# Altium PCB PCB_15122020_01BC.PcbDoc (part 4 of 9) (continued)
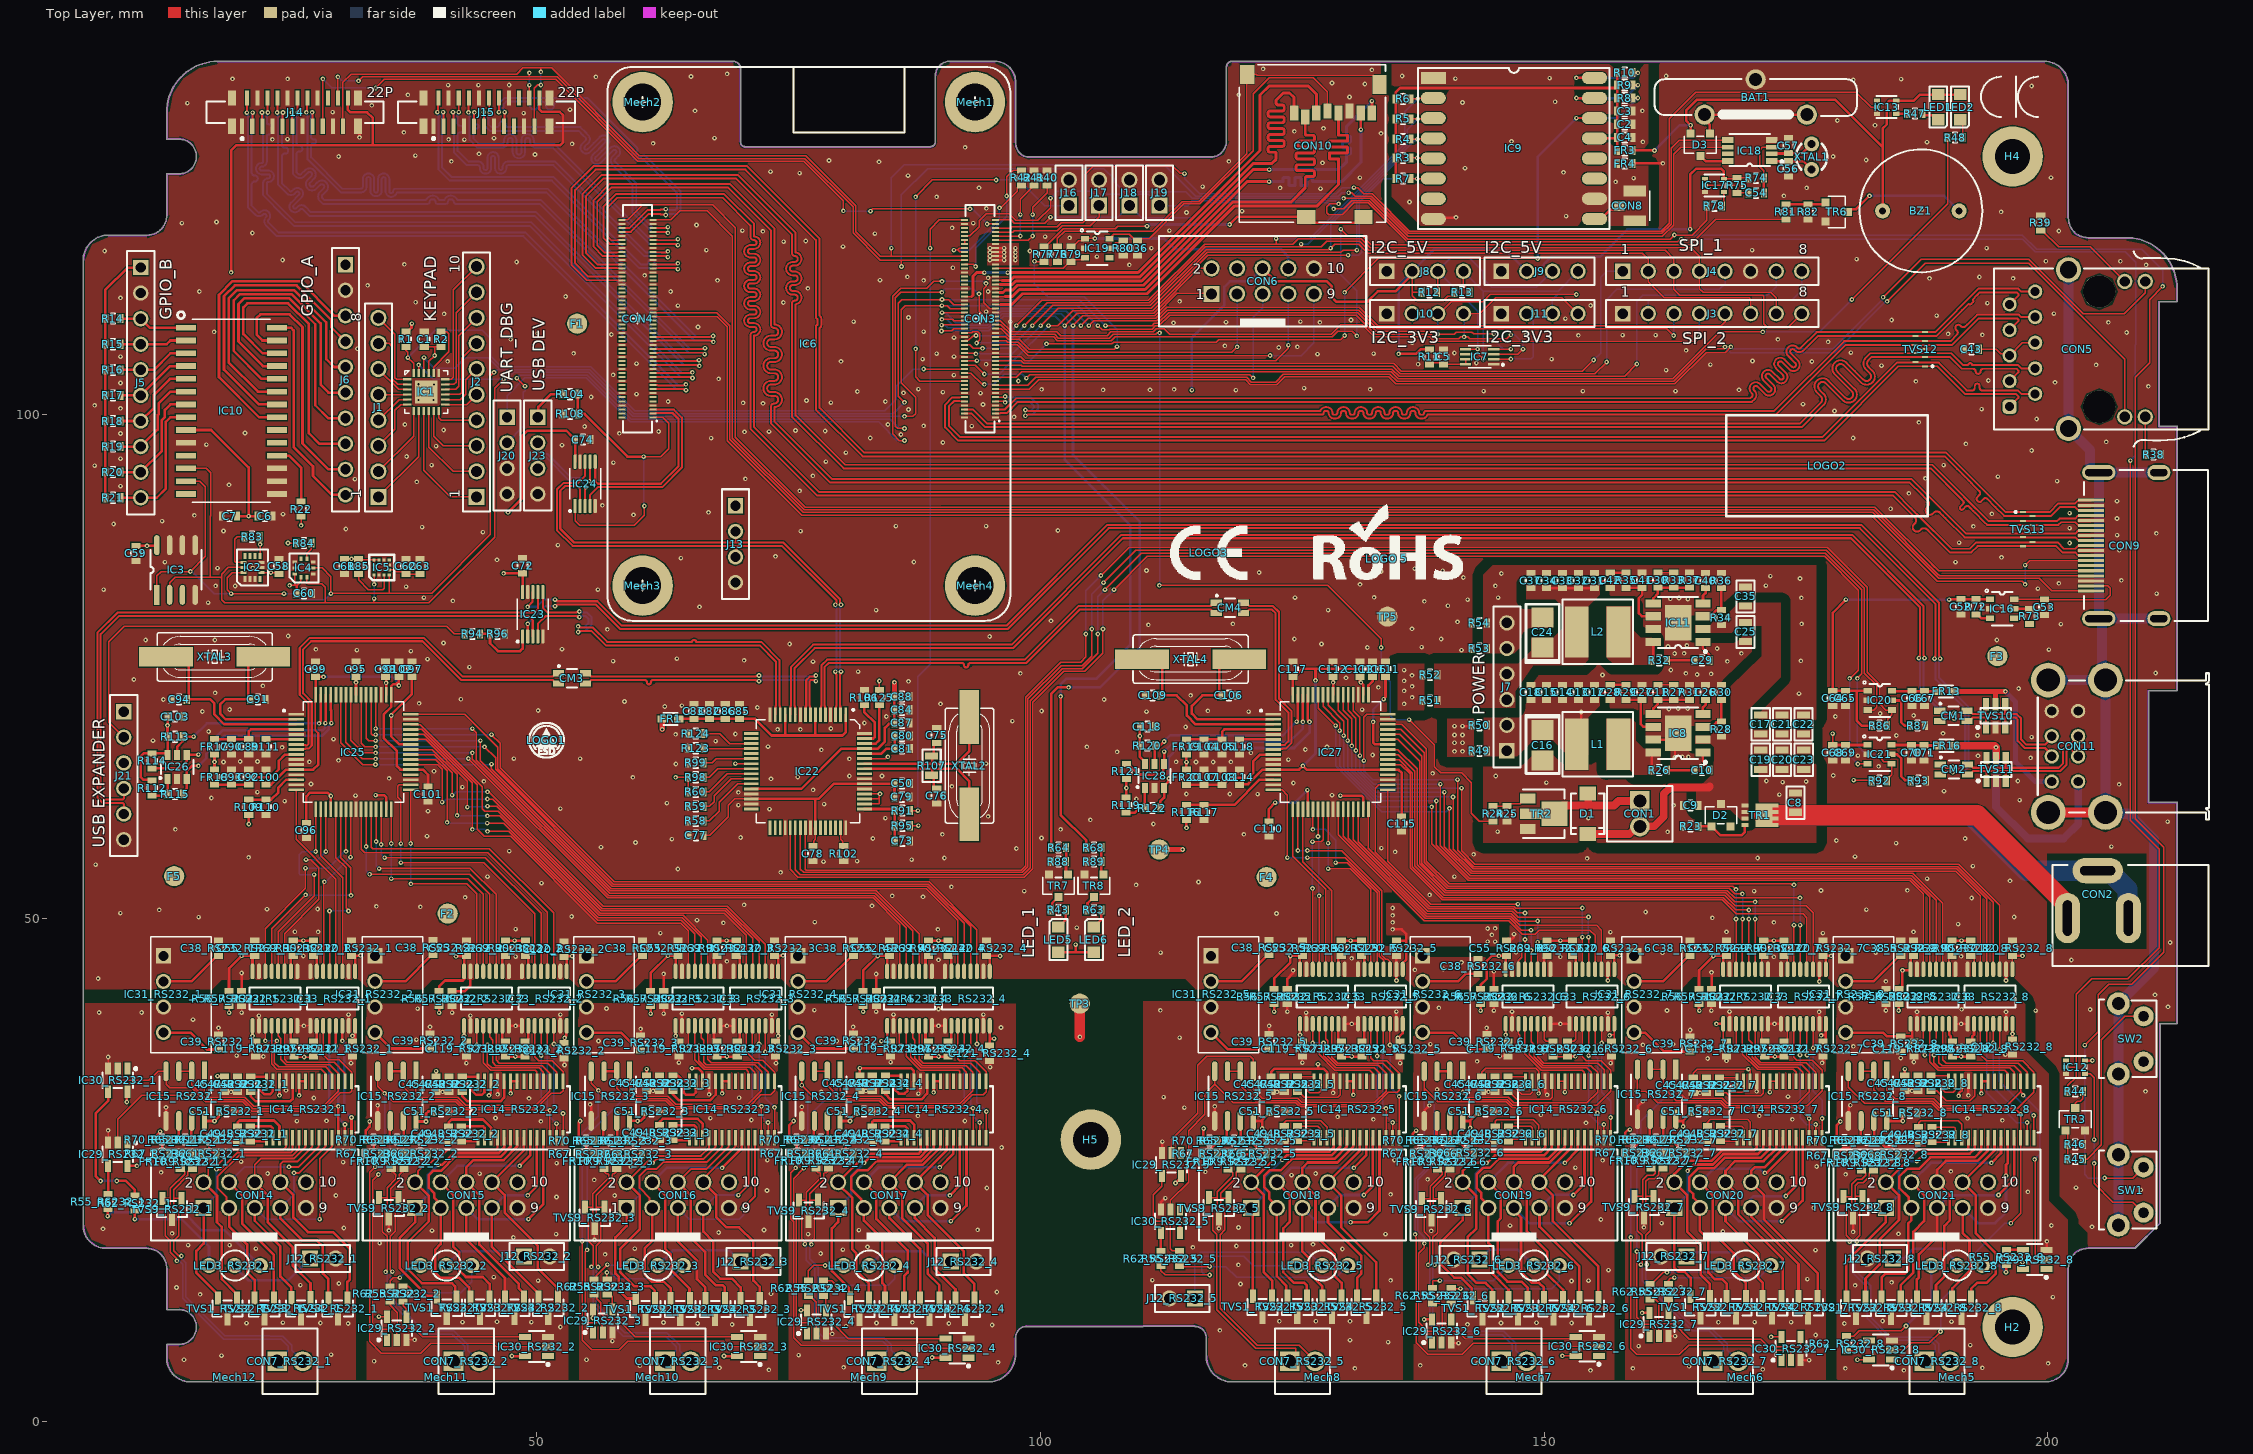
[diagram p0: Top Layer view]
## Nets (pads, with @x,y where several pads share a name; then routed paths per layer and width w, separated by ;. In a path a pad name is that pad's centre, name@x,y a point inside that pad or via, vN(x,y) a via of type N, cw(c..) or ccw(c..) an arc to the next point about the centre after c; other vN are vias at no path point) (continued)
  Top Layer w0.127: CON3.99@95.54,119.3 97.116,119.3 97.42,118.996 100.421,118.996 v1(101,119.575) ; v1(129.1,120.4) 130.1,120.4 130.914,121.214 132.632,121.214 136.438,117.408 147.873,117.408 147.897,117.384 162.504,117.384 v1(162.92,117.8) 164.7,117.8 166.15,119.25 R78.1@166.15,120.7 ; v1(203.666,37.376) 204.993,38.703 204.993,42.38 206.027,43.414 208.312,43.414 211.502,46.604 211.502,57.037 208.7,59.839 208.7,103.7 210.1,105.1 210.1,111.4 v1(211.4,112.7) ; v1(205.644,24.191) 208.441,24.191 SW1.2@209.5,25.25
  Bottom Layer w0.127: v1(101,119.575) 107.67,119.575 J18.1@108.825,120.73 110.03,119.525 115.1,119.525 116.561,120.986 128.514,120.986 v1(129.1,120.4) ; v1(162.92,117.8) 197.459,117.8 198.88,116.379 209.321,116.379 211.4,114.3 v1(211.4,112.7) ; v1(203.666,37.376) 203.666,24.562 204.037,24.191 v1(205.644,24.191)
GND: BAT1.2 C1.2 C5.2 C6.2 C7.2 C36.2 C38_RS232_1.2 C38_RS232_2.2 C38_RS232_3.2 C38_RS232_4.2 C38_RS232_5.2 C38_RS232_6.2 C38_RS232_7.2 C38_RS232_8.2 C43.2 C50.2 C52.2 C53.2 C55_RS232_1.1 C55_RS232_2.1 C55_RS232_3.1 C55_RS232_4.1 C55_RS232_5.1 C55_RS232_6.1 C55_RS232_7.1 C55_RS232_8.1 C56.2 C57.2 C58.2 C59.2 C60.2 C61.2 C62.1 C63.1 C64.2 C65.2 C66.2 C67.2 C68.2 C69.2 C70.2 C71.2 C72.2 C73.2 C74.2 C75.1 C76.1 C77.2 C78.2 C79.2 C80.2 C81.2 C82.2 C83.2 C84.2 C85.2 C86.2 C87.2 C88.2 C89.2 C90.2 C91.1 C92.1 C93.1 C94.1 C95.2 C96.2 C97.2 C98.2 C99.2 C100.2 C101.2 C102.2 C103.1 C104.2 C105.2 C106.1 C107.1 C108.1 C109.1 C110.2 C111.2 C112.2 C113.2 C114.2 C115.2 C116.2 C117.2 C118.1 C120_RS232_1.1 C120_RS232_2.1 C120_RS232_3.1 C120_RS232_4.1 C120_RS232_5.1 C120_RS232_6.1 C120_RS232_7.1 C120_RS232_8.1 CON3.1 CON3.2 CON3.7 CON3.8 CON3.13 CON3.14 CON3.22 CON3.23 CON3.32 CON3.33 CON3.42 CON3.43 CON3.52 CON3.53 CON3.59 CON3.60 CON3.65 CON3.66 CON3.71 CON3.74 CON3.98 CON4.7 CON4.8 CON4.13 CON4.14 CON4.19 CON4.20 CON4.25 CON4.26 CON4.31 CON4.32 CON4.37 CON4.38 CON4.44 CON4.50 CON4.55 CON4.56 CON4.61 CON4.62 CON4.67 CON4.68 CON4.73 CON4.74 CON4.79 CON4.80 CON4.85 CON4.86 CON4.91 CON4.92 CON4.97 CON4.98 CON6.10 CON9.2 CON9.5 CON9.8 CON9.11 CON9.17 CON10.6 CON11.A4 CON11.B4 FR4.2 IC1.19 IC1.25 IC2.1 IC2.2 IC2.3 IC2.6 IC2.7 IC3.4 IC3.5 IC3.6 IC3.7 IC4.3 IC4.5 IC4.8 IC4.9 IC5.2 IC5.6 IC5.8 IC7.1 IC10.10 IC10.15 IC10.16 IC10.17 IC12.3 IC13.3 IC16.2 IC17.3 IC18.4 IC19.2 IC20.2 IC21.2 IC22.4 IC22.10 IC22.16 IC22.29 IC22.31 IC22.36 IC22.41 IC22.48 IC22.53 IC22.55 IC22.64 IC23.5 IC23.9 IC24.5 IC24.9 IC25.1 IC25.5 IC25.10 IC25.11 IC25.13 IC25.15 IC25.25 IC25.35 IC25.47 IC25.51 IC26.2 IC27.1 IC27.5 IC27.10 IC27.11 IC27.13 IC27.15 IC27.25 IC27.35 IC27.47 IC27.51 IC28.2 IC31_RS232_1.1 IC31_RS232_2.1 IC31_RS232_3.1 IC31_RS232_4.1 IC31_RS232_5.1 IC31_RS232_6.1 IC31_RS232_7.1 IC31_RS232_8.1 IC32_RS232_1.9 IC32_RS232_1.15 IC32_RS232_2.9 IC32_RS232_2.15 IC32_RS232_3.9 IC32_RS232_3.15 IC32_RS232_4.9 IC32_RS232_4.15 IC32_RS232_5.9 IC32_RS232_5.15 IC32_RS232_6.9 IC32_RS232_6.15 IC32_RS232_7.9 IC32_RS232_7.15 IC32_RS232_8.9 IC32_RS232_8.15 IC33_RS232_1.2 IC33_RS232_1.8 IC33_RS232_2.2 IC33_RS232_2.8 IC33_RS232_3.2 IC33_RS232_3.8 IC33_RS232_4.2 IC33_RS232_4.8 IC33_RS232_5.2 IC33_RS232_5.8 IC33_RS232_6.2 IC33_RS232_6.8 IC33_RS232_7.2 IC33_RS232_7.8 IC33_RS232_8.2 IC33_RS232_8.8 J3.1 J4.6 J5.2 J6.2 J8.1 J9.1 J10.1 J11.1 J13.4 J14.1 J14.4 J14.7 J14.10 J14.13 J14.16 J14.19 J14.MP1 J14.MP2 J14.MP3 J14.MP4 J15.1 J15.4 J15.7 J15.10 J15.13 J15.16 J15.19 J15.MP1 J15.MP2 J15.MP3 J15.MP4 J16.2 J17.2 J18.2 J19.2 J20.3 J20.4 J21.6 J23.4 R38.2 R39.2 R40.1 R41.1 R46.2 R53.2 R54.2 R57_RS232_1.1 R57_RS232_2.1 R57_RS232_3.1 R57_RS232_4.1 R57_RS232_5.1 R57_RS232_6.1 R57_RS232_7.1 R57_RS232_8.1 R58.2 R59.2 R73.2 R80.1 R82.2 R87.2 R88.1 R89.1 R93.2 R96.1 R99.2 R102.2 R106.2 R108.1 R110.1 R111.1 R117.1 R118.1 R123.2 R124.2 TP5.1 TR3.2 TR6.2 TR7.2 TR8.2 TVS10.2 TVS11.2 TVS12.3 TVS13.3 | length 25.6
  Top Layer w0.254: R57_RS232_1.1@20.7,42.75 v1(20.7,44.544) ; J14.MP3@32.25,128.6 32.4,128.45 v1(32.4,127.493) ; R57_RS232_2.1@41.6,42.75 42.85,42.75 43.412,43.312 IC32_RS232_2.15@43.412,44.7 ; v1(62.59,44.457) 62.6,44.447 R57_RS232_3.1@62.6,42.75 ; v1(83.684,44.447) 83.7,44.431 R57_RS232_4.1@83.7,42.75 ; R57_RS232_5.1@124.5,42.95 124.5,43.947 125.08,44.527 v1(125.08,44.8) ; C120_RS232_5.1@135.327,46.249 IC33_RS232_5.2@135.327,44.9 135.332,44.896 135.332,43.804 v1(135.336,43.8) ; R57_RS232_6.1@145.005,42.95 v1(145.005,44.7) ; C55_RS232_6.1@146.4,47.75 C55_RS232_6.1@146.273,47.75 146.446,47.923 146.617,47.752 147.002,48.137 v1(147.002,48.4) ; v1(156.328,43.8) IC33_RS232_6.2@156.328,44.9 ; FR4.2@158.75,124.9 158.758,124.892 158.776,124.91 v1(161.788,124.91) ; R57_RS232_7.1@166.619,42.95 v1(166.619,44.6) ; v1(177.327,43.7) IC33_RS232_7.2@177.327,44.9 ; v1(195.85,43.8) 195.851,43.801 195.851,44.899 IC33_RS232_8.2@195.853,44.9
  other v1: 204.39,19.35 209.234,23 202.8,23.233 209.7,32.795 198.8,40.8 204.2,40.919 211.931,41.178 210.642,42.375 183.92,43.71 6.448,44.001 137.157,44.852 139.995,44.944 141.8,45.6 68.87,45.7 202.334,45.833 89.87,45.848 130.889,46 47.9,46.163 151.6,46.145 172.8,46.15 191.4,46.2 26.817,46.225 161.745,46.54 111.934,46.57 182.916,46.57 147.2,46.6 82.637,47.14 212.137,47.568 62.26,48.493 177.665,48.5 156.576,48.6 28.289,48.625 168.1,48.632 186.662,48.632 25.978,48.638 89.81,48.872 47.904,48.903 103.6,49.041 191.097,49.388 68.525,49.524 172.809,49.567 77.591,49.593 65.898,49.785 166.691,50.023 16.432,50.086 196.653,50.097 53.462,50.15 123.431,50.447 8.66,50.487 160.075,50.6 12.518,50.808 181.979,50.838 23.209,50.878 28.249,50.896 38.438,51.114 34.078,51.162 83.281,51.212 70.579,51.316 192.444,51.988 42.882,52.055 88.34,52.1 85.284,52.2 138.627,52.301 98.388,52.666 170.855,52.666 177.483,52.732 186.059,52.753 91.152,53.1 109.495,53.3 50.461,53.467 115.685,53.579 196.249,53.684 188.023,53.915 45.108,54.104 141.093,54.105 74.21,54.529 64,54.866 192.551,55.156 6.2,55.3 78.463,55.6 81.796,55.65 87.203,55.8 154.267,55.933 90.453,55.957 171.196,55.959 21.394,56.031 180.855,56.084 142.997,56.323 135.204,56.566 47.263,56.633 97.6,56.9 133.845,56.933 56.367,57.033 206.3,57.079 184.95,57.425 59.8,57.5 179,57.7 63.409,57.836 83.358,57.9 191.796,57.9 100.1,57.95 70.23,58 39.1,58.132 90.252,58.3 120.19,58.303 14.112,58.808 102,58.8 111.21,59.34 211.888,59.567 104.952,59.742 84.6,59.913 94.8,60.1 39.2,60.601 73.1,60.8 52.342,60.851 70,61.2 78.531,61.3 62.9,61.396 24.971,61.594 197.2,61.7 109.51,61.812 17.686,61.919 31.994,62.15 128.945,62.2 114.48,62.315 118.79,62.315 121.557,62.3 70,62.473 22.259,62.494 189.7,62.6 77.441,62.73 42.602,62.999 91.2,63.08 207.08,63.279 27.578,63.3 125.1,63.398 44.74,63.57 197.019,63.6 73.25,63.821 35.345,63.868 59.542,63.972 75.904,64 84.261,64.1 81.023,64.106 178.7,64.143 138.94,64.36 39.788,64.571 183.2,65.053 63.8,65.288 94.593,65.321 18.903,65.495 115.44,65.49 117.14,65.495 27.412,65.499 113.47,65.51 118.9,65.5 20.556,65.534 22.275,65.534 30.31,65.654 124.6,65.725 81.023,65.8 47.728,65.827 54.3,65.821 198.3,65.9 193.062,66.1 181.135,66.125 132.969,66.185 120.89,66.4 107.61,66.49 78.246,66.7 126.3,66.73 24.725,66.95 104.6,66.996 128.437,66.975 72.955,67.02 67.755,67.563 11.9,67.6 29.811,67.75 198.4,67.963 184.961,68.125 193.015,68.125 63.778,68.23 69.7,68.275 189.6,68.34 17.43,68.52 73.9,68.73 76.162,68.73 79.186,68.811 114.41,68.97 82.513,69.366 97.2,69.549 84.696,70 178.9,70.004 186.678,70.1 183.352,70.31 110.519,70.489 120.661,70.489 16.8,70.507 100.116,70.55 116.614,70.575 50.133,70.6 19.516,70.7 131.932,70.693 71.9,70.9 62.7,71 64.395,71.075 90.08,71.267 38.328,71.312 58.7,71.5 12.933,71.7 42.455,71.718 106.313,71.7 114.9,72.1 18.062,72.362 197.1,72.784 133.536,72.907 22.8,73.058 86.9,73.5 10,73.675 130.328,73.846 98,74.283 210.707,74.33 81.9,74.453 43.294,74.9 77.415,75.45 57.578,75.5 70.579,75.577 39.151,75.691 63.9,75.748 37.5,76.5 32.137,76.6 141.8,76.6 200.1,76.649 28.07,76.675 52.5,76.7 132.445,76.85 137.842,76.892 75.1,77.2 127.9,77.2 40.738,77.3 11.175,77.6 18.042,77.6 194.94,77.6 125.2,77.7 139.773,77.7 94.96,77.95 25.319,78 57,78.65 136.878,78.7 110.7,79.1 201.3,79.171 119.1,79.2 141.4,79.4 101.05,79.5 83.684,80.563 128.55,80.563 66.148,80.9 195.404,80.959 140.439,81 17.37,81.3 138.1,81.446 41.667,81.494 142.4,81.6 38.792,81.8 125.272,81.8 133.121,81.834 210.8,82.2 7,82.603 56.063,82.603 199.006,82.7 37.023,82.9 20.05,82.963 18.114,82.975 131.722,83.125 201.1,83.227 207.3,83.527 141.985,83.8 121.7,84.3 129.859,84.379 133.821,84.4 139.929,84.475 110.519,84.5 113.824,84.675 137.137,84.675 18.3,84.729 21.8,84.759 13.075,85.326 190.833,85.326 87.421,85.35 46.05,85.558 64.3,85.725 195.396,85.809 73.699,85.9 207.1,86.5 52.085,87.015 202.166,87.225 191.193,87.272 206.885,88 210.771,88.185 44.636,88.3 76.2,88.4 18.9,88.427 101.727,88.475 31.05,88.616 202.166,88.7 38.623,88.8 192.61,88.89 85.635,88.9 94.6,88.9 8,89.112 12.8,89.4 206.865,89.66 16,89.975 59.6,90.019 24.8,90.101 194.438,90.126 202.166,90.2 67.05,90.269 184.403,90.63 56.5,90.975 206.865,91.387 186.199,92.165 76.1,92.4 8.675,92.874 19.445,93 38.081,93.3 200.925,93.373 31.936,93.567 70.7,93.6 187.841,93.651 195.037,93.81 77.4,93.9 6.1,94.91 39.559,94.96 189.652,94.96 57.6,95.2 78.7,95.3 8.675,95.6 37.073,95.815 80.679,96.2 198.391,96.41 40,96.848 52.5,96.948 17.19,97 191.856,97.075 90.3,97.2 205.8,97.269 67.3,97.635 83.1,97.654 180.674,97.652 86.136,98 8.675,98.1 58.2,98.109 21.025,98.153 70.618,98.259 73.051,98.285 62.1,98.3 78.631,98.35 75.674,98.393 40.75,98.449 54.75,98.8 93.177,98.827 88.4,98.856 36.9,99 84.841,99 187.2,99.2 198.9,99.533 97.38,99.749 178.823,100.335 86.9,100.479 193.433,100.525 8.675,100.6 6.1,100.9 94.3,100.985 175.696,101.02 72.455,101.094 70.477,101.138 79.186,101.155 63.038,101.27 84.6,101.27 76.767,101.381 39.761,101.412 38.257,101.434 55.395,101.725 59.897,102.004 94.05,102.109 86.4,102.136 90.3,102.2 81.823,102.273 144,102.3 153.84,102.3 163.035,102.307 119.4,102.4 106.229,102.425 110.869,102.425 169.337,102.425 100.116,102.475 113.274,102.475 132.725,102.475 87.878,102.5 126.177,102.6 209.979,102.778 39.789,102.984 38.262,102.989 8.675,103.119 200.708,103.18 186.9,103.286 97.806,103.307 194.1,103.357 68.05,103.525 91.404,103.9 57.585,103.921 162.105,104.39 183.489,104.836 204.8,104.915 166.5,104.939 94.6,104.975 137.5,104.975 59.897,105.026 143.263,105.1 41.154,105.255 80.2,105.266 176.572,105.25 170.679,105.3 88.3,105.473 150.738,105.488 8.675,105.734 91.415,105.734 127.5,105.975 89.7,106.025 133.074,106.034 53.65,106.065 141.09,106.094 180.443,106.125 164.1,106.353 32.2,106.513 123.654,106.633 125.5,106.7 118.3,106.8 76.6,107.11 136.921,107.11 178.188,107.2 47.4,107.446 173.2,107.446 91.415,107.61 153.4,107.841 157.8,107.868 161.075,107.868 148.2,107.9 193.5,107.9 57.4,107.927 190.1,108 50.077,108.037 207.82,108.121 17.977,108.2 88.4,108.213 66,108.677 113.2,109.084 206,109.133 118.416,109.159 127.738,109.136 81.447,109.2 97.012,109.2 125.793,109.2 130.822,109.367 184.5,109.367 152.1,109.5 86.9,109.619 188.958,109.8 40.798,109.972 200.6,110 94.6,110.2 64,110.8 154.625,110.801 194,111.041 74.48,111.098 37.971,111.129 113.824,111.217 8.675,111.563 52.859,111.7 16.5,112.19 63.284,112.19 94.8,112.202 76.9,112.51 33.2,112.8 67.934,113.3 88.4,113.3 84.065,113.329 188.252,113.5 196.56,113.5 94.8,113.559 86.789,113.655 193.2,113.633 60.7,113.8 91.3,114.555 108.814,114.841 209.759,114.851 36.841,114.9 48,115.128 199.8,115.2 207.2,115.2 24.775,115.321 181.015,115.409 105.6,115.663 7.1,116.223 98.946,116.223 66.837,116.3 170.652,116.3 111,116.5 193.925,116.5 80.4,116.647 74.5,117.146 76.698,117.208 102.9,117.531 100.463,117.644 83.558,117.934 21.758,118 72.437,118.165 201.1,118.2 70.4,118.24 112.8,118.24 91.225,118.51 65.846,118.8 14.76,118.98 93.325,118.987 18.2,119.1 114.5,120.041 195.374,120.1 120,120.175 187.5,120.32 94.625,120.451 89.7,121.599 173.8,121.7 127.8,122.4 93.893,122.489 123.8,122.489 176.057,122.489 116.1,122.6 131.7,123.5 200.311,123.5 86.854,123.7 76.1,123.946 73.2,124.1 128,124.975 83.963,125.075 41.519,125.125 118.7,125.125 79,125.2 181.971,125.256 30.337,125.602 178.688,125.602 37.95,125.675 49.814,125.8 44.267,125.858 92.531,126.5 53.5,126.862 61.544,126.901 188,127.024 42.8,127.275 23.75,127.3 41.25,127.3 25.25,127.325 45.75,127.425 67.637,127.425 133.8,127.9 36.8,128 125.2,128.1 128.1,128.4 182.849,128.7 179.1,129.175 48.697,129.9 29.725,130 65.7,130.137 53.3,130.24 33.614,130.675 15.3,130.9 130.683,131.5 37.188,131.725 119.7,131.725 198.4,132.6 41.2,132.675 44.2,132.675 47.25,132.7 132.2,132.8 128.945,132.9 180.692,133.2 185.448,133.271 19.791,133.3 25.27,133.3 55.862,133.502 65.3,133.538 162.105,133.59 68.9,133.8 132.9,134.2 122.1,134.3
GPIO02: CON3.58 IC1.22 IC2.14 IC3.1 IC4.4 IC5.4 IC7.4 IC10.13 J10.3 J11.3 | length 228.7
  Top Layer w0.127: IC3.1@12.276,82.085 12.276,83.976 12.7,84.4 v1(15.6,84.4) 17.1,85.9 17.1,92.8 16.535,93.365 IC10.13@15.16,93.365 ; IC2.14@20.871,84.3 19.75,84.3 19.25,83.8 19.25,82.603 v1(19.653,82.2) v1(24.9,82.2) ; IC4.4@27.796,84.75 28.7,84.75 29.55,83.9 v1(29.55,82.2) 29.575,82.225 35.35,82.225 ; IC5.4@35.35,84.05 35.35,82.225 ; IC1.22@38.775,104.115 38.788,104.127 38.788,105.613 v1(38.8,105.625) ; v1(45.75,104.175) 45.4,103.825 45.4,88.075 39.55,82.225 35.35,82.225 ; v1(86.495,101.2) 85.877,101.818 85.877,111.053 86.224,111.4 v1(90.225,111.4) 90.9,111.4 91.4,110.9 CON3.58@92.46,110.9 ; v1(106.45,108.8) 111.082,108.8 111.312,109.03 111.651,109.03 112.712,110.091 131.476,110.091 133.328,108.239 139.112,108.239 139.387,107.964 v1(139.425,107.964) 141.063,107.964 141.274,108.175 142.825,108.175 143,108 v1(145.005,108) ; J10.3@139.445,110 139.6,110 140.8,111.2 143.94,111.2 144.64,111.9 v1(153.2,111.9) ; IC7.4@145.005,106.475 v1(146.7,106.475)
  Bottom Layer w0.127: v1(15.6,84.4) 15.8,84.4 18,82.2 v1(19.653,82.2) ; v1(24.9,82.2) 26.063,82.2 26.663,81.6 28.95,81.6 v1(29.55,82.2) ; v1(38.8,105.625) 39.825,104.6 41.875,104.6 42.9,105.625 45.175,105.625 46.348,104.452 ; v1(45.75,104.175) 45.784,104.175 46.061,104.452 46.348,104.452 ; v1(86.495,101.2) 85.372,100.077 59.623,100.077 55.248,104.452 46.348,104.452 ; v1(90.225,111.4) 103.85,111.4 v1(106.45,108.8) ; v1(139.425,107.964) 139.445,107.983 J10.3@139.445,110 ; v1(145.005,108) 145.005,107.397 145.927,106.475 v1(146.7,106.475) ; J11.3@150.82,110 150.82,111.38 151.34,111.9 v1(153.2,111.9)
GPIO03: CON3.56 IC1.23 IC2.13 IC3.2 IC4.2 IC5.1 IC7.3 IC10.12 J10.4 J11.4 | length 227.5
  Top Layer w0.127: IC3.2@13.546,82.085 13.546,83.3 14.082,83.836 17.6,83.836 ; IC10.12@15.16,94.635 17.19,94.635 17.625,94.2 17.625,89.925 17.6,89.9 17.6,83.836 ; IC2.13@20.871,84.8 19.364,84.8 18.7,84.136 18.7,83.721 ; IC4.2@27.181,83.836 27.181,83.253 27.256,83.179 28.671,83.179 29,82.85 29,81.3 ; v1(33.85,81.7) 33.8,81.65 33.8,81.3 ; v1(33.85,83.125) IC5.1@33.85,84.05 ; IC1.23@38.275,104.115 v1(38.275,104.915) ; v1(46.7,103.487) 45.8,102.587 45.8,87.819 39.281,81.3 33.8,81.3 ; v1(86.495,99.8) 87.326,99.8 87.6,100.074 87.6,101.685 86.154,103.131 86.154,110.4 86.554,110.8 v1(90.2,110.8) 90.75,110.8 91.05,110.5 CON3.56@92.46,110.5 ; v1(105.7,108.8) 106.116,108.385 106.826,108.385 106.89,108.449 111.089,108.449 111.417,108.776 111.757,108.776 112.818,109.837 131.37,109.837 133.244,107.964 138.736,107.964 139.2,107.5 141.521,107.5 141.721,107.7 v1(142.05,107.7) 142.4,107.7 142.606,107.494 146.294,107.494 v1(146.7,107.9) ; J10.4@141.985,110 143.6,110 145.2,111.6 151.76,111.6 J11.4@153.36,110 ; IC7.3@145.005,105.975 147.4,105.975 v1(147.9,106.475) ; 17.6,83.836 18.586,83.836 18.7,83.721 ; 18.7,83.721 18.7,81.6 19,81.3 29,81.3 ; 29,81.3 33.8,81.3
  Bottom Layer w0.127: v1(33.85,81.7) v1(33.85,83.125) ; v1(38.275,104.915) 39.704,103.487 v1(46.7,103.487) 47.01,103.487 47.698,104.175 55.133,104.175 59.508,99.8 v1@86.4,99.8 ; v1(90.2,110.8) 103.7,110.8 v1(105.7,108.8) ; J10.4@141.985,110 142.05,109.935 v1(142.05,107.7) ; v1(146.7,107.9) 147.1,107.9 147.9,107.1 v1(147.9,106.475)
GPIO04: CON3.54 J3.3 | length 80.4
  Top Layer w0.127: v1(90.225,110.1) CON3.54@92.46,110.1 ; v1(104.8,108.8) 105.284,109.284 111.546,109.284 112.607,110.345 131.581,110.345 133.426,108.5 162.178,108.5 v1(162.853,107.825)
  Bottom Layer w0.127: v1(90.225,110.1) 90.6,110.1 91.613,109.087 94.609,109.087 96.024,110.502 103.098,110.502 v1(104.8,108.8) ; v1(162.853,107.825) 162.866,107.839 162.866,109.986 J3.3@162.88,110
GPIO05: CON3.34 IC9.5 R3.1 | length 58.1
  Top Layer w0.127: CON3.34@92.46,106.1 92.497,106.063 93.517,106.063 v1(93.58,106) ; v1(100.015,108.8) 101.769,110.554 111.02,110.554 116.543,116.077 129.812,116.077 130.035,116.3 v1(131.4,116.3) ; R3.1@136.75,125.45 v1(137.4,125.45) 137.425,125.425 138.975,125.425 IC9.5@139,125.4
  Bottom Layer w0.127: v1(93.58,106) 97.2,106 v1@100.015,108.815 ; v1(131.4,116.3) 131.4,121.129 135.721,125.45 v1(137.4,125.45)
GPIO06: CON3.30 IC9.6 R7.1 | length 58
  Top Layer w0.127: CON3.30@92.46,105.3 92.48,105.32 93.66,105.32 v1(93.68,105.34) ; v1(100.8,108.8) 101.717,108.8 103.217,110.3 111.125,110.3 116.625,115.8 v1(130.55,115.8) ; R7.1@136.75,123.4 v1(137.4,123.4) IC9.6@139,123.4
  Bottom Layer w0.127: v1(93.68,105.34) 93.71,105.37 97.37,105.37 v1(100.8,108.8) ; v1(130.55,115.8) 131.6,115.8 131.9,116.1 131.9,116.647 131.629,116.918 131.629,121.034 133.994,123.4 v1(137.4,123.4)
GPIO07: CON3.37 CON6.9 | length 37.4
  Top Layer w0.127: CON3.37@95.54,106.9 97.709,106.9 98.769,105.84 v1(122.8,105.84)
  Bottom Layer w0.127: v1(122.8,105.84) 125.865,105.84 127.117,107.092 127.117,111.937 CON6.9@127.14,111.96
GPIO08: CON3.39 CON6.3 | length 29.9
  Top Layer w0.127: CON3.39@95.54,107.3 96.588,107.3 96.734,107.154 97.814,107.154 98.783,106.185 119.005,106.185 v1(119.52,106.7)
  Bottom Layer w0.127: v1(119.52,106.7) CON6.3@119.52,111.96
GPIO09: CON3.40 IC9.2 J3.7 J4.4 R6.1 | length 115.1
  Top Layer w0.127: CON3.40@92.46,107.3 92.497,107.336 92.848,107.336 93.285,107.773 93.548,107.773 v1(93.6,107.825) ; v1(97.6,108.8) 100.116,111.316 110.705,111.316 116.297,116.908 123.4,116.908 ; v1(123.4,117.449) 123.4,116.908 ; R6.1@136.75,131.325 v1(137.463,131.325) 137.5,131.363 138.963,131.363 IC9.2@139,131.4 ; J3.7@173.04,110 173.04,111.56 172.486,112.114 165.8,112.114 165.42,112.494 J4.4@165.42,114.2 165.42,115.7 164.566,116.554 132.725,116.554 131.829,117.449 125.6,117.449 125.059,116.908 123.4,116.908
  Bottom Layer w0.127: v1(93.6,107.825) 96.625,107.825 v1(97.6,108.8) ; v1(123.4,117.449) 126.751,117.449 136.171,126.87 136.171,130.034 v1(137.463,131.325)
GPIO10: CON3.44 IC9.3 J3.8 J4.3 R5.1 | length 116.5
  Top Layer w0.127: CON3.44@92.46,108.1 93.177,108.1 93.297,108.22 93.764,108.22 93.995,107.989 93.995,107.415 v1(93.67,107.09) ; v1(98.4,108.8) 100.662,111.062 110.81,111.062 116.379,116.631 126,116.631 ; v1(125.885,116.9) 126,116.785 126,116.631 ; R5.1@136.75,129.325 v1(137.463,129.325) 137.5,129.362 138.962,129.362 IC9.3@139,129.4 ; J3.8@175.58,110 174.18,108.6 172.2,108.6 171.8,109 171.8,111.725 171.688,111.837 163.443,111.837 162.88,112.4 J4.3@162.88,114.2 162.88,115.42 162.023,116.277 132.61,116.277 131.715,117.172 128.4,117.172 127.859,116.631 126,116.631
  Bottom Layer w0.127: v1(93.67,107.09) 96.69,107.09 v1(98.4,108.8) ; v1(125.885,116.9) 126.524,116.9 136.4,126.776 136.4,128.262 v1(137.463,129.325)
GPIO11: CON3.38 IC9.4 J3.6 J4.2 R4.1 | length 104.2
  Top Layer w0.127: CON3.38@92.46,106.9 93.001,106.899 93.35,106.55 v1(94.25,106.55) ; v1(99.2,108.8) 101.208,110.808 110.915,110.808 116.461,116.354 128.602,116.354 128.746,116.498 v1(128.8,116.498) 129.198,116.895 131.6,116.895 132.495,116 159.749,116 160.34,115.409 J4.2@160.34,114.2 160.34,113.16 161.94,111.56 170.34,111.56 170.5,111.4 J3.6@170.5,110 ; R4.1@136.75,127.325 v1(137.425,127.325) 137.463,127.363 138.963,127.363 IC9.4@139,127.4
  Bottom Layer w0.127: v1(94.25,106.55) 96.95,106.55 v1(99.2,108.8) ; v1(128.8,116.498) 128.8,118.852 137.048,127.1 137.153,127.1 137.378,127.325 v1(137.425,127.325)
GPIO12: CON3.31 CON6.7 | length 35.1
  Top Layer w0.127: CON3.31@95.54,105.7 98.06,105.7 98.429,105.331 123.374,105.331 124.6,106.557 v1(124.6,106.879)
  Bottom Layer w0.127: v1(124.6,106.879) CON6.7@124.6,111.96
GPIO13: CON3.28 IC9.14 R8.1 | length 89.3
  Top Layer w0.127: CON3.28@92.46,104.9 93.525,104.9 v1(94.425,104) ; v1(100.6,107) 107.09,107 107.269,107.179 117.469,107.179 117.7,107.41 129.785,107.41 v1(130.2,107.825) ; v1(130.2,112.12) 133.555,115.475 v1(149.35,115.475)
  Top Layer w0.206: v1(153.2,129.4) IC9.14@155,129.4 ; R8.1@158.75,131.4 v1(159.3,131.4)
  Bottom Layer w0.127: v1(94.425,104) 95.912,104 97.023,105.111 98.711,105.111 v1(100.6,107) ; v1(130.2,107.825) v1(130.2,112.12)
  Bottom Layer w0.206: v1(153.2,129.4) 157.3,129.4 v1(159.3,131.4)
  Bottom Layer w0.254: v1(149.35,115.475) 149.35,125.55 v1(153.2,129.4)
GPIO14: CON3.55 J20.1 | length 73.4
  Top Layer w0.127: v1(86.495,97.4) 86,97.4 85.323,98.077 85.323,111.715 86.106,112.498 88.701,112.498 89.403,113.2 v1(90.225,113.2) ; v1(94.593,113) 94.593,112.7 94.373,112.48 94.373,111.099 94.971,110.5 CON3.55@95.54,110.5
  Bottom Layer w0.127: J20.1@47.05,99.71 47.05,101.871 48.8,103.621 54.904,103.621 59.279,99.246 83.954,99.246 85.8,97.4 v1(86.495,97.4) ; v1(90.225,113.2) 94.305,113.2 94.505,113 v1(94.593,113)
GPIO15: CON3.51 J20.2 | length 74.5
  Top Layer w0.127: v1(48.025,103.6) 48.825,102.8 v1(48.83,102.8) ; v1(86.495,98.6) 85.827,98.6 85.6,98.827 85.6,111.6 86.12,112.12 v1(90.2,112.12) ; v1(93.9,111.96) 93.9,110.261 94.461,109.7 CON3.51@95.54,109.7
  Bottom Layer w0.127: J20.2@47.05,97.17 48.677,98.797 48.677,102.171 48.83,102.324 v1(48.83,102.8) ; v1(48.025,103.6) 48.323,103.898 55.019,103.898 59.394,99.523 85.077,99.523 86,98.6 v1(86.495,98.6) ; v1(90.2,112.12) 90.531,112.452 93.321,112.452 93.813,111.96 v1(93.9,111.96)
GPIO16: CON3.29 J4.1 | length 71.2
  Top Layer w0.127: CON3.29@95.54,105.3 98.069,105.3 98.315,105.054 135.055,105.054 135.822,104.287 153.805,104.287 v1(154.918,105.4)
  Bottom Layer w0.127: v1(154.918,105.4) 155.6,106.082 155.6,113.6 156.2,114.2 J4.1@157.8,114.2
GPIO17: CON3.50 J3.5 | length 84
  Top Layer w0.127: v1(90.2,109.425) 91.275,109.425 91.4,109.3 CON3.50@92.46,109.3 ; v1(104,108.8) 104.738,109.538 111.441,109.538 112.525,110.622 131.663,110.622 133.485,108.8 167.56,108.8 167.96,109.2 J3.5@167.96,110
  Bottom Layer w0.127: v1(90.2,109.425) 90.717,109.425 91.309,108.833 94.715,108.833 96.119,110.237 102.563,110.237 v1(104,108.8)
GPIO18: CON3.49 J3.4 | length 74.6
  Top Layer w0.127: CON3.49@95.54,109.3 96.025,109.3 97.131,108.195 101.631,108.195 102,107.825 106.631,107.825 107,108.195 111.194,108.195 111.515,108.516 112.273,108.516 112.825,107.964 128.872,107.964 129.812,108.904 131.944,108.904 133.148,107.7 138.64,107.7 139.1,107.24 164.96,107.24 v1(165.42,107.7)
  Bottom Layer w0.127: v1(165.42,107.7) J3.4@165.42,110
GPIO19: CON3.26 IC1.24 R1.1 | length 66.1
  Top Layer w0.127: R1.1@37,106.7 37,106.376 37.2,106.176 v1(37.2,105.625) 37.775,105.05 IC1.24@37.775,104.115 ; v1(88.4,104.5) CON3.26@92.46,104.5
  Bottom Layer w0.127: v1(37.2,105.625) 39.9,108.325 44.6,108.325 45.483,107.442 45.483,105.708 46.463,104.729 55.363,104.729 59.738,100.354 84.554,100.354 85.685,101.485 85.685,102.8 87.385,104.5 v1(88.4,104.5)
GPIO20: CON3.27 J4.5 | length 81.4
  Top Layer w0.127: CON3.27@95.54,104.9 98.077,104.9 98.2,104.777 134.973,104.777 135.717,104.033 155.046,104.033 156.2,105.187 v1(156.2,105.2)
  Bottom Layer w0.127: v1(156.2,105.2) 156.2,111.4 157.2,112.4 167.4,112.4 167.96,112.96 J4.5@167.96,114.2
GPIO21: CON3.25 J4.7 | length 86.6
  Top Layer w0.127: CON3.25@95.54,104.5 134.882,104.5 135.603,103.779 157.979,103.779 v1(159.2,105)
  Bottom Layer w0.127: v1(159.2,105) 159.2,111.2 159.8,111.8 172.16,111.8 173.04,112.68 J4.7@173.04,114.2
GPIO22: CON3.46 CON6.2 R68.1 | length 92.8
  Top Layer w0.127: v1(90.17,108.28) 91.18,108.28 91.4,108.5 CON3.46@92.46,108.5 ; v1(102.4,108.8) 103.646,110.046 111.231,110.046 115.685,114.5 CON6.2@116.98,114.5
  Top Layer w0.254: v1(102,72) 102,60.25 104.55,57.7 R68.1@104.55,57 R68.1@104.5,57.05
  Bottom Layer w0.127: v1(90.17,108.28) 94.88,108.28 96.329,109.729 101.471,109.729 v1(102.4,108.8)
  Bottom Layer w0.254: v1(102,72) 102,73.196 102.562,73.759 105.559,73.759 108.9,77.1 108.9,89 102.4,95.5 v1(102.4,108.8)
GPIO23: CON3.47 R24.1 | length 92
  Top Layer w0.127: CON3.47@95.54,108.9 96.066,108.9 97.025,107.941 101.4,107.941 101.787,107.554 106.813,107.554 107.2,107.941 111.441,107.941 111.6,108.1 v1(111.825,108.1) ; v1(111.8,83.02) 128.505,83.02 133.821,77.704 v1(133.821,76.85) ; v1(136.6,69.7) 139.1,67.2 139.1,65.015 139.715,64.4 141.8,64.4 142.751,63.449 142.751,60.386 143.537,59.6 R24.1@144.922,59.6
  Bottom Layer w0.127: v1(111.8,83.02) 111.825,83.045 v1(111.825,108.1) ; v1(133.821,76.85) 133.821,74.321 134.7,73.442 134.7,70.1 135.1,69.7 v1(136.6,69.7)
GPIO25: CON3.41 R77.1 | length 27.7
  Top Layer w0.127: CON3.41@95.54,107.7 96.547,107.7 96.815,107.433 97.895,107.433 98.888,106.439 107.314,106.439 v1(107.6,106.725) ; v1(99.4,115.2) 99.45,115.15 R77.1@100.338,115.15
  Bottom Layer w0.127: v1(99.4,115.2) 99.4,112.954 100.7,111.654 104.346,111.654 107.6,108.4 v1(107.6,106.725)
GPIO26: CON3.24 CON6.5 | length 38.7
  Top Layer w0.127: CON3.24@92.46,104.1 93.1,104.1 94.225,102.975 v1(94.425,102.975) ; v1(98.6,103.6) 98.946,103.946 120.794,103.946 v1(121.115,103.625)
  Bottom Layer w0.127: v1(94.425,102.975) 95.375,102.975 96.4,104 98.2,104 v1(98.6,103.6) ; v1(121.115,103.625) 121.115,109.655 122.06,110.6 CON6.5@122.06,111.96
GPIO27: CON3.48 CON6.1 R64.1 | length 92.3
  Top Layer w0.127: v1(90.19,108.85) 90.19,108.865 90.225,108.9 CON3.48@92.46,108.9 ; v1(103.226,108.8) 104.218,109.792 111.336,109.792 113.548,112.004 116.936,112.004 CON6.1@116.98,111.96
  Top Layer w0.254: R64.1@101.05,57 101.05,72.25 101.7,72.9 v1(102.8,72.9)
  Bottom Layer w0.127: v1(90.19,108.85) 90.503,108.85 90.773,108.579 94.82,108.579 96.224,109.983 102.043,109.983 v1(103.226,108.8)
  Bottom Layer w0.254: v1(102.8,72.9) 105.9,72.9 109.855,76.855 109.855,89.345 103.226,95.974 v1(103.226,108.8)
GPIO_VREF: CON3.78 R42.2 | length 13.1
  Top Layer w0.127: CON3.78@92.46,114.9 93.336,114.9 v1(93.561,114.675) ; v1(96.65,121.675) 96.65,123.6 97.275,124.225 R42.2@98.1,124.225
  Bottom Layer w0.127: v1(93.561,114.675) 93.561,116.561 96.65,119.65 v1(96.65,121.675)
HDMI0_CEC: CON4.51 CON9.13 | length 163
  Top Layer w0.127: CON4.51@61.54,109.7 67.9,109.7 68.9,108.7 68.9,97.375 76.306,89.969 182.481,89.969 189.029,83.421 197.454,83.421 v1(197.75,83.125) ; v1(197.75,85.025) 198.2,85.475 CON9.13@204.8,85.475
  Bottom Layer w0.127: v1(197.75,83.125) v1(197.75,85.025)